# Allegro board RUBUS_20173009.brd (continued)
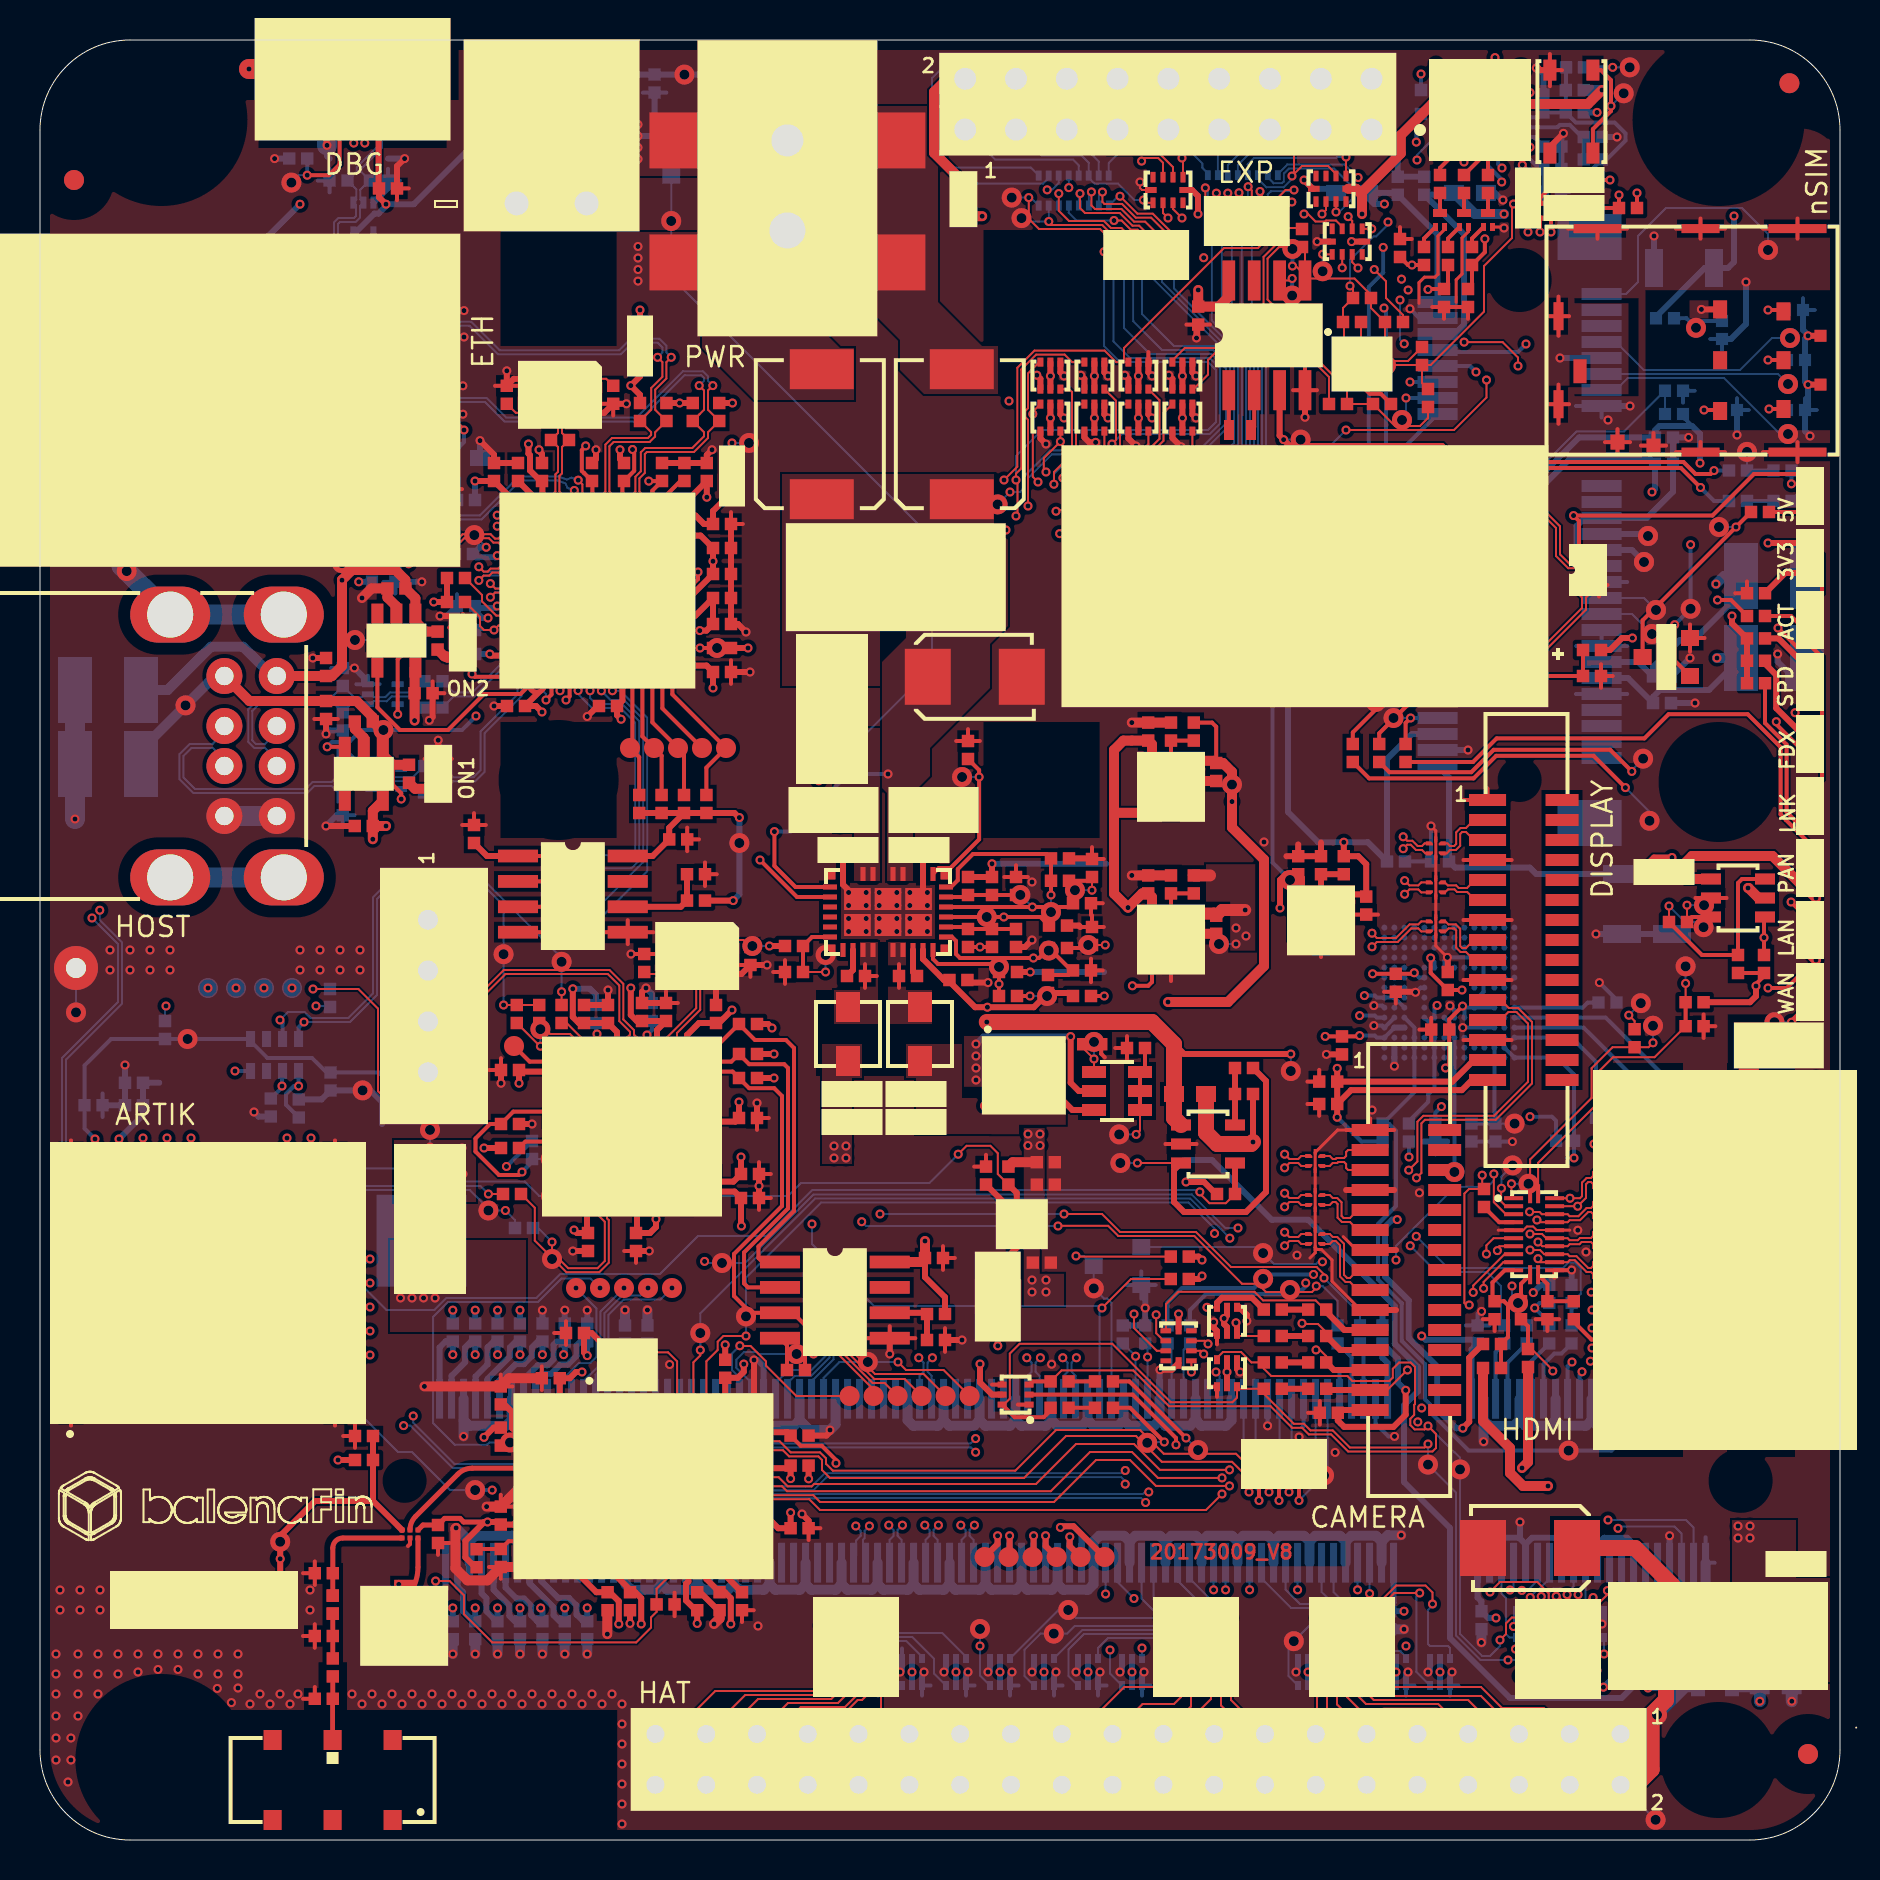
[diagram p0: board, top side]
## Placement (name value [footprint] x y rotation side) (continued)
NOREF#111  -  []  15.74 50.7 0 top
NOREF#112  -  []  79.07 61.12 90 top
NOREF#113  -  []  61.74 82.99 90 top
NOREF#114  -  []  77.12 88.17 0 top
NOREF#115  -  []  28.07 12.7 0 top
NOREF#116  -  []  29.96 51.35 90 top
NOREF#117  -  []  10.93 82.5 90 top
NOREF#118  -  []  69.72 48.18 0 top
NOREF#119  -  []  17.26 11.56 0 top
NOREF#120  -  []  53.34 21.92 0 top
NOREF#121  -  []  33.37 17.89 90 top
NOREF#122  -  []  70 82.35 90 top
NOREF#123  -  []  23.2 39.7 0 top
NOREF#124  -  []  85.35 62.34 0 top
NOREF#125  -  []  16.57 52.55 90 top
NOREF#126  -  []  70.24 45.53 90 top
NOREF#127  -  []  84.45 66.95 0 top
NOREF#128  -  []  30.11 29.14 90 top
NOREF#129  -  []  20.75 64.3 0 top
NOREF#130  -  []  64.14 78.94 90 top
NOREF#131  -  []  84.2 60.75 0 top
NOREF#132  -  []  18.36 52.4 90 top
NOREF#133  -  []  14.48 82.97 0 top
NOREF#134  -  []  44.1 36.9 90 top
NOREF#135  -  []  75.99 88.94 0 top
NOREF#136  -  []  6.51 48.13 90 top
NOREF#137  -  []  15.38 82.5 0 top
NOREF#138  -  []  82.87 24.83 90 top
NOREF#139  -  []  76.49 5.3 0 top
NOREF#140  -  []  23.69 11.25 0 top
NOREF#141  -  []  63.69 33.4 90 top
NOREF#142  -  []  64.88 60.2 0 top
NOREF#143  -  []  64.21 79.77 0 top
NOREF#144  -  []  77.5 9.8 90 top
NOREF#145  -  []  48.09 61.23 90 top
NOREF#146  -  []  10.75 38.85 90 top
NOREF#147  -  []  27.49 42.06 0 top
NOREF#148  -  []  81.45 45.9 0 top
NOREF#149  -  []  89.65 60.6 90 top
NOREF#150  -  []  19.59 16.06 0 top
NOREF#151  -  []  72.73 66.47 90 top
NOREF#152  -  []  20.66 62.79 90 top
NOREF#153  -  []  35.1 11.49 90 top
NOREF#154  -  []  22.74 38.81 0 top
NOREF#155  -  []  80.8 76.09 0 top
NOREF#156  -  []  24.06 30.29 90 top
NOREF#157  -  []  25.27 40.54 90 top
NOREF#158  -  []  12.13 38.45 0 top
NOREF#159  -  []  47.6 44.65 90 top
NOREF#160  -  []  61.5 24.89 90 top
NOREF#161  -  []  24.81 26.14 0 top
NOREF#162  -  []  23.98 58.51 90 top
NOREF#163  -  []  80.58 52.3 90 top
NOREF#164  -  []  64 9.9 90 top
NOREF#165  -  []  42.4 46.4 0 top
NOREF#166  -  []  67.97 54.21 0 top
NOREF#167  -  []  26.3 22.78 90 top
NOREF#168  -  []  23.56 62.22 90 top
NOREF#169  -  []  15.8 10.55 90 top
NOREF#170  -  []  33 32.07 90 top
NOREF#171  -  []  16.57 60.82 0 top
NOREF#172  -  []  85.21 43.04 90 top
NOREF#173  -  []  34.86 59.29 90 top
NOREF#174  -  []  13.93 79.52 0 top
NOREF#175  -  []  79.54 81.91 0 top
NOREF#176  -  []  75.66 27.45 90 top
NOREF#177  -  []  42.3 44.38 0 top
NOREF#178  -  []  33.67 12.7 0 top
NOREF#179  -  []  81.84 71.61 0 top
NOREF#180  -  []  74.97 84.02 90 top
NOREF#181  -  []  7.7 15.18 90 top
NOREF#182  -  []  76.58 24.83 90 top
NOREF#183  -  []  40.4 38.95 90 top
NOREF#184  -  []  22.06 61.39 90 top
NOREF#185  -  []  69.79 49.27 90 top
NOREF#186  -  []  74.3 9.8 90 top
NOREF#187  -  []  32.51 51.04 90 top
NOREF#188  -  []  75.15 27.16 0 top
NOREF#189  -  []  61.19 22.56 0 top
NOREF#190  -  []  48.54 43.71 0 top
NOREF#191  -  []  56.91 78.25 0 top
NOREF#192  -  []  23.05 34.6 0 top
NOREF#193  -  []  19.83 73.02 0 top
NOREF#194  -  []  75.17 83.55 0 top
NOREF#195  -  []  34.24 64.91 0 top
NOREF#196  -  []  19.5 28.8 90 top
NOREF#197  -  []  70.26 87.19 90 top
NOREF#198  -  []  20.4 69.1 0 top
NOREF#199  -  []  46.73 14.15 0 top
NOREF#200  -  []  63.1 44.68 0 top
NOREF#201  -  []  14.53 37.48 90 top
NOREF#202  -  []  69.72 47.08 90 top
NOREF#203  -  []  44.25 49.9 0 top
NOREF#204  -  []  72.73 61.12 90 top
NOREF#205  -  []  52.72 73.89 0 top
NOREF#206  -  []  52.22 70.44 0 top
NOREF#207  -  []  71.26 36.13 0 top
NOREF#208  -  []  69.46 36.13 0 top
NOREF#209  -  []  82.55 7.19 0 top
NOREF#210  -  []  11.23 36.48 0 top
NOREF#211  -  []  70.39 42.5 90 top
NOREF#212  -  []  14.33 11.63 0 top
NOREF#213  -  []  66.1 7.72 90 top
NOREF#214  -  []  68.14 35.23 0 top
NOREF#215  -  []  49.16 43.09 90 top
NOREF#216  -  []  86.9 70.3 0 top
NOREF#217  -  []  38.7 42 90 top
NOREF#218  -  []  57.91 23.48 0 top
NOREF#219  -  []  69.1 73.75 90 top
NOREF#220  -  []  36.16 40.49 90 top
NOREF#221  -  []  73.56 86.99 90 top
NOREF#222  -  []  57.46 78 90 top
NOREF#223  -  []  25.93 26.14 0 top
NOREF#224  -  []  87.35 66.8 0 top
NOREF#225  -  []  65.96 76.79 90 top
NOREF#226  -  []  57.2 36.9 90 top
NOREF#227  -  []  44 38.95 90 top
NOREF#228  -  []  80.19 10.85 0 top
NOREF#229  -  []  32.67 49.72 90 top
NOREF#230  -  []  72.73 61.12 90 top
NOREF#231  -  []  70.08 35.51 90 top
NOREF#232  -  []  32.94 47.28 0 top
NOREF#233  -  []  4.2 52.15 90 top
NOREF#234  -  []  39.8 37.3 0 top
NOREF#235  -  []  77.15 58.2 0 top
NOREF#236  -  []  72.05 9.65 90 top
NOREF#237  -  []  73.94 84.62 0 top
NOREF#238  -  []  27.35 39.62 0 top
NOREF#239  -  []  70.71 79.34 90 top
NOREF#240  -  []  78.36 57.89 90 top
NOREF#241  -  []  23.19 25.52 90 top
NOREF#242  -  []  72.73 61.12 90 top
NOREF#243  -  []  21.45 11.25 0 top
NOREF#244  -  []  32.33 72.16 0 top
NOREF#245  -  []  1.55 22.2 90 top
NOREF#246  -  []  58.44 81.45 90 top
NOREF#247  -  []  23.03 73.02 0 top
NOREF#248  -  []  20.21 9.36 90 top
NOREF#249  -  []  36.57 84.96 0 top
NOREF#250  -  []  80.1 60.3 0 top
NOREF#251  -  []  15.36 78.31 90 top
NOREF#252  -  []  14.05 6.75 90 top
NOREF#253  -  []  75.7 16 0 top
NOREF#254  -  []  68.59 53.59 90 top
NOREF#255  -  []  34.86 60.49 90 top
NOREF#256  -  []  47.89 25.67 90 top
NOREF#257  -  []  77 25.73 90 top
NOREF#258  -  []  28.33 85.97 90 top
NOREF#259  -  []  77.15 9.05 0 top
NOREF#260  -  []  34.24 66.11 0 top
NOREF#261  -  []  89.2 8.29 90 top
NOREF#262  -  []  86.67 66.95 0 top
NOREF#263  -  []  37.25 44.7 0 top
NOREF#264  -  []  75.46 26.85 90 top
NOREF#265  -  []  76.85 11.25 90 top
NOREF#266  -  []  39.09 67.04 90 top
NOREF#267  -  []  29.5 75.1 0 top
NOREF#268  -  []  63.31 31.65 0 top
NOREF#269  -  []  20.18 42.22 0 top
NOREF#270  -  []  36.67 22.34 0 top
NOREF#271  -  []  14.24 78.31 90 top
NOREF#272  -  []  51.12 21.92 0 top
NOREF#273  -  []  77.12 83.89 90 top
NOREF#274  -  []  85.04 67.26 0 top
NOREF#275  -  []  12.08 0.5 0 top
NOREF#276  -  []  13.57 60.82 0 top
NOREF#277  -  []  25.09 23.09 0 top
NOREF#278  -  []  70.65 80.65 0 top
NOREF#279  -  []  63.68 21.67 0 top
NOREF#280  -  []  70.31 82.94 90 top
NOREF#281  -  []  76.29 87.5 0 top
NOREF#282  -  []  46.71 46.94 90 top
NOREF#283  -  []  1.55 22.2 90 top
NOREF#284  -  []  87.26 68.78 0 top
NOREF#285  -  []  33.2 32.27 0 top
NOREF#286  -  []  81.93 9.11 90 top
NOREF#287  -  []  44.1 35.5 90 top
NOREF#288  -  []  52.75 21.61 0 top
NOREF#289  -  []  86.56 9.97 90 top
NOREF#290  -  []  77 83.4 0 top
NOREF#291  -  []  47.91 44.34 90 top
NOREF#292  -  []  16.96 19.89 90 top
NOREF#293  -  []  62.79 79.96 0 top
NOREF#294  -  []  48.42 32.77 90 top
NOREF#295  -  []  35.1 67 90 top
NOREF#296  -  []  30.79 68.26 0 top
NOREF#297  -  []  74.4 81.3 90 top
NOREF#298  -  []  82.35 9.55 90 top
NOREF#299  -  []  33.8 40.85 90 top
NOREF#300  -  []  41.75 7.95 0 top
NOREF#301  -  []  24 10.04 90 top
NOREF#302  -  []  38.65 12.15 0 top
NOREF#303  -  []  69.05 87.5 0 top
NOREF#304  -  []  64.21 31.65 90 top
NOREF#305  -  []  76.89 26.54 90 top
NOREF#306  -  []  34.86 64.29 90 top
NOREF#307  -  []  63.7 11.4 0 top
NOREF#308  -  []  28.7 27.6 0 top
NOREF#309  -  []  63.25 72.49 90 top
NOREF#310  -  []  25.93 11.25 0 top
NOREF#311  -  []  64.05 48.29 90 top
NOREF#312  -  []  28.02 86.28 0 top
NOREF#313  -  []  84.36 61.12 90 top
NOREF#314  -  []  33.65 59.6 0 top
NOREF#315  -  []  64.36 47.98 90 top
NOREF#316  -  []  63.99 21.36 0 top
NOREF#317  -  []  40.94 43.51 0 top
NOREF#318  -  []  64.27 36.49 90 top
NOREF#319  -  []  47.91 47.84 90 top
NOREF#320  -  []  29.98 80.43 0 top
NOREF#321  -  []  76.1 46 90 top
NOREF#322  -  []  50.09 81.97 90 top
NOREF#323  -  []  11.84 53.7 90 top
NOREF#324  -  []  68.3 7.72 90 top
NOREF#325  -  []  39.05 10.15 0 top
NOREF#326  -  []  28.55 23.14 90 top
NOREF#327  -  []  79.55 44.35 90 top
NOREF#328  -  []  34.95 40.8 0 top
NOREF#329  -  []  67.2 9.9 90 top
NOREF#330  -  []  82.05 60.5 0 top
NOREF#331  -  []  10.9 86.92 0 top
NOREF#332  -  []  74.86 83.86 0 top
NOREF#333  -  []  63.72 22.25 90 top
NOREF#334  -  []  18.15 65.3 90 top
NOREF#335  -  []  15.05 79.52 0 top
NOREF#336  -  []  72.05 9.65 90 top
NOREF#337  -  []  12.94 36.13 90 top
NOREF#338  -  []  53.44 81.72 90 top
NOREF#339  -  []  16.05 50.39 90 top
NOREF#340  -  []  69.2 78.75 90 top
NOREF#341  -  []  81.11 75.78 90 top
NOREF#342  -  []  59.95 9.65 90 top
NOREF#343  -  []  67.82 84.22 90 top
NOREF#344  -  []  58.14 81.22 90 top
NOREF#345  -  []  15.74 55.92 0 top
NOREF#346  -  []  33.17 11.18 90 top
NOREF#347  -  []  89.65 48.2 90 top
NOREF#348  -  []  63.96 36.8 0 top
NOREF#349  -  []  72.51 31.34 90 top
NOREF#350  -  []  29.79 41.26 0 top
NOREF#351  -  []  24.79 68.26 0 top
NOREF#352  -  []  78.2 11.47 0 top
NOREF#353  -  []  65.19 48.29 90 top
NOREF#354  -  []  82.74 10.54 90 top
NOREF#355  -  []  30 73.9 90 top
NOREF#356  -  []  23.04 19.72 90 top
NOREF#357  -  []  73.65 11.7 0 top
NOREF#358  -  []  71.85 80.65 0 top
NOREF#359  -  []  87.26 67.26 0 top
NOREF#360  -  []  50.53 21.61 0 top
NOREF#361  -  []  33.01 51.66 0 top
NOREF#362  -  []  14.4 19.75 90 top
NOREF#363  -  []  63.69 29.5 90 top
NOREF#364  -  []  50.55 49.08 0 top
NOREF#365  -  []  72.05 12.15 90 top
NOREF#366  -  []  16.06 18.69 90 top
NOREF#367  -  []  59.35 26.64 0 top
NOREF#368  -  []  50.39 34.54 0 top
NOREF#369  -  []  53.96 22.62 90 top
NOREF#370  -  []  63.65 38.23 0 top
NOREF#371  -  []  46.09 47.56 0 top
NOREF#372  -  []  80.96 56.54 90 top
NOREF#373  -  []  66.23 79.02 90 top
NOREF#374  -  []  81.34 69.12 0 top
NOREF#375  -  []  77.74 58.51 0 top
NOREF#376  -  []  85.16 71.19 90 top
NOREF#377  -  []  23.35 56.7 0 top
NOREF#378  -  []  30.1 40.95 90 top
NOREF#379  -  []  71.71 77.24 90 top
NOREF#380  -  []  42.95 7.15 90 top
NOREF#381  -  []  58.75 76.83 0 top
NOREF#382  -  []  16.57 53.55 0 top
NOREF#383  -  []  69.72 45.13 90 top
NOREF#384  -  []  30.77 2.76 90 top
NOREF#385  -  []  77.19 85.15 0 top
NOREF#386  -  []  77.15 59.5 0 top
NOREF#387  -  []  41.2 44.8 0 top
NOREF#388  -  []  17.37 62.58 0 top
NOREF#389  -  []  83.49 40.38 90 top
NOREF#390  -  []  73.98 78 0 top
NOREF#391  -  []  69.34 49.23 0 top
NOREF#392  -  []  38.14 32.8 0 top
NOREF#393  -  []  64.79 40.49 0 top
NOREF#394  -  []  70.23 21.5 0 top
NOREF#395  -  []  68.2 82.86 90 top
NOREF#396  -  []  23.66 56.39 90 top
NOREF#397  -  []  84.59 43.66 0 top
NOREF#398  -  []  25.41 67.64 90 top
NOREF#399  -  []  76.5 10.12 0 top
NOREF#400  -  []  61.5 26.21 90 top
NOREF#401  -  []  51.53 14.15 0 top
NOREF#402  -  []  38.09 68.64 0 top
NOREF#403  -  []  70.97 80.65 0 top
NOREF#404  -  []  56.47 71.57 90 top
NOREF#405  -  []  22.7 67.95 90 top
NOREF#406  -  []  68.79 74.06 0 top
NOREF#407  -  []  50.71 42.04 90 top
NOREF#408  -  []  58 55.56 90 top
NOREF#409  -  []  81.75 24.83 90 top
NOREF#410  -  []  54.94 39.91 0 top
NOREF#411  -  []  71.85 81.1 90 top
NOREF#412  -  []  30.5 73.5 90 top
NOREF#413  -  []  19.83 76.78 0 top
NOREF#414  -  []  47.95 43.4 0 top
NOREF#415  -  []  20.85 60.5 0 top
NOREF#416  -  []  17.82 61.32 0 top
NOREF#417  -  []  75 33.39 0 top
NOREF#418  -  []  16.34 20.51 0 top
NOREF#419  -  []  22.06 58.99 90 top
NOREF#420  -  []  59.7 71 0 top
NOREF#421  -  []  34.64 38.41 0 top
NOREF#422  -  []  21.83 13.64 90 top
NOREF#423  -  []  55.72 55.56 90 top
NOREF#424  -  []  55.65 9.65 0 top
NOREF#425  -  []  40.75 7.5 90 top
NOREF#426  -  []  12.7 39.65 90 top
NOREF#427  -  []  17.26 60.03 0 top
NOREF#428  -  []  33.98 11.49 90 top
NOREF#429  -  []  72.07 10.54 90 top
NOREF#430  -  []  51.37 64.94 0 top
NOREF#431  -  []  86.2 43.35 90 top
NOREF#432  -  []  83.62 83.8 90 top
NOREF#433  -  []  82.28 41.89 0 top
NOREF#434  -  []  26.3 25.35 0 top
NOREF#435  -  []  42.5 39.7 90 top
NOREF#436  -  []  14.83 58.91 0 top
NOREF#437  -  []  61.89 81.74 90 top
NOREF#438  -  []  52.29 48.46 0 top
NOREF#439  -  []  55.56 39.29 90 top
NOREF#440  -  []  60.05 20.05 0 top
NOREF#441  -  []  23.35 14.24 90 top
NOREF#442  -  []  74.3 7.3 90 top
NOREF#443  -  []  85.04 58.15 0 top
NOREF#444  -  []  49.84 33.89 0 top
NOREF#445  -  []  76.29 86.38 0 top
NOREF#446  -  [unnamed#3]  83.93 52.9 0 top
NOREF#447  -  []  109.85 19.5 90 top
NOREF#448  -  []  84 76.53 0 top
NOREF#449  -  []  65.41 39.87 90 top
NOREF#450  -  []  45.02 44.77 0 top
NOREF#451  -  []  63.31 29.7 0 top
NOREF#452  -  []  68.76 34.61 90 top
NOREF#453  -  []  78.4 83.72 90 top
NOREF#454  -  []  17.46 63.22 0 top
NOREF#455  -  []  12.66 80.32 90 top
NOREF#456  -  []  62.49 79.7 90 top
NOREF#457  -  []  79.42 39.95 0 top
NOREF#458  -  []  18.5 30.1 0 top
NOREF#459  -  []  78.05 12.05 0 top
NOREF#460  -  []  31.1 67.95 90 top
NOREF#461  -  []  33.65 67.64 90 top
NOREF#462  -  []  83.25 8.19 0 top
NOREF#463  -  []  76.88 87.81 0 top
NOREF#464  -  []  71.51 82.94 90 top
NOREF#465  -  []  18.91 56.93 0 top
NOREF#466  -  []  31.41 67.64 90 top
NOREF#467  -  []  44.97 81.54 0 top
NOREF#468  -  []  67 73.05 90 top
NOREF#469  -  []  34.86 62.99 90 top
NOREF#470  -  []  19.4 38.39 90 top
NOREF#471  -  []  77 73.44 0 top
NOREF#472  -  []  87.88 66.64 90 top
NOREF#473  -  []  17.71 8.41 0 top
NOREF#474  -  []  29.65 51.66 0 top
NOREF#475  -  []  24.9 73.06 0 top
NOREF#476  -  []  58.59 80.2 0 top
NOREF#477  -  []  24.31 10.63 90 top
NOREF#478  -  []  72.42 26.35 0 top
NOREF#479  -  []  79.28 138 0 top
NOREF#480  -  []  6.51 61.27 0 top
NOREF#481  -  []  55.65 12.15 0 top
NOREF#482  -  []  23.83 81.83 0 top
NOREF#483  -  []  76 10.12 90 top
NOREF#484  -  []  64.76 71.49 90 top
NOREF#485  -  []  74.3 9.8 90 top
NOREF#486  -  []  64.88 49.5 0 top
NOREF#487  -  []  34.24 63.61 0 top
NOREF#488  -  []  42.65 49.1 90 top
NOREF#489  -  []  34.24 62.41 0 top
NOREF#490  -  []  65.33 54.21 0 top
NOREF#491  -  []  44.39 58.16 0 top
NOREF#492  -  []  67.75 14.65 0 top
NOREF#493  -  []  85.04 60.39 0 top
NOREF#494  -  []  83.18 25.42 90 top
NOREF#495  -  []  65.95 53.59 90 top
NOREF#496  -  []  29.69 72.16 0 top
NOREF#497  -  []  60.45 18.05 0 top
NOREF#498  -  []  71.29 79.96 0 top
NOREF#499  -  []  74.05 26.04 90 top
NOREF#500  -  []  34.1 68.6 0 top
NOREF#501  -  []  85.89 43.66 0 top
NOREF#502  -  []  52.24 28.3 90 top
NOREF#503  -  []  69.34 47.28 0 top
NOREF#504  -  []  47.5 7.72 90 top
NOREF#505  -  []  70.2 76.65 90 top
NOREF#506  -  []  7.12 77.7 90 top
NOREF#507  -  []  69.45 80.65 0 top
NOREF#508  -  []  24.81 11.25 0 top
NOREF#509  -  []  73.83 71.92 0 top
NOREF#510  -  []  37.56 44.39 90 top
NOREF#511  -  []  74.71 35.8 90 top
NOREF#512  -  []  27.29 68.26 0 top
NOREF#513  -  []  19.32 57.65 0 top
NOREF#514  -  []  77.5 84.84 90 top
NOREF#515  -  []  35.47 14.09 90 top
NOREF#516  -  []  67 73.8 90 top
NOREF#517  -  []  67.35 10.15 90 top
NOREF#518  -  []  75.68 25.73 90 top
NOREF#519  -  []  57.73 43.47 90 top
NOREF#520  -  []  27.51 40.54 90 top
NOREF#521  -  []  33.96 70.95 90 top
NOREF#522  -  []  13.48 82.5 0 top
NOREF#523  -  []  23.46 31.99 90 top
NOREF#524  -  []  19.24 75.15 0 top
NOREF#525  -  []  28.66 71.81 90 top
NOREF#526  -  []  17.77 62.91 90 top
NOREF#527  -  []  39.6 49.5 0 top
NOREF#528  -  []  24.6 34.05 90 top
NOREF#529  -  []  35.05 33.3 0 top
NOREF#530  -  []  72.55 80.65 0 top
NOREF#531  -  []  64.57 26.04 0 top
NOREF#532  -  []  18.23 17.96 90 top
NOREF#533  -  []  45.4 44.4 90 top
NOREF#534  -  []  73.22 24.83 90 top
NOREF#535  -  []  46.68 42.69 90 top
NOREF#536  -  []  70.24 47.28 90 top
NOREF#537  -  []  42.5 37.7 0 top
NOREF#538  -  []  67.51 10.54 90 top
NOREF#539  -  []  11.33 65.41 0 top
NOREF#540  -  []  84.36 71.36 90 top
NOREF#541  -  []  76.88 86.69 0 top
NOREF#542  -  []  69.52 82.86 90 top
NOREF#543  -  []  88.15 42.8 0 top
NOREF#544  -  []  14.55 78.9 90 top
NOREF#545  -  []  60.3 19.3 90 top
NOREF#546  -  []  31.11 85.51 0 top
NOREF#547  -  []  87.35 57.5 0 top
NOREF#548  -  []  32.66 47.98 90 top
NOREF#549  -  []  85.66 66.64 90 top
NOREF#550  -  []  45.98 22.2 0 top
NOREF#551  -  []  69.64 86.61 0 top
NOREF#552  -  []  19.24 71.29 0 top
NOREF#553  -  []  60.45 18.05 0 top
NOREF#554  -  []  46.06 43.31 0 top
NOREF#555  -  []  43.17 51.5 0 top
NOREF#556  -  []  14.05 9.89 90 top
NOREF#557  -  []  74.16 85.64 90 top
NOREF#558  -  []  54.95 25.14 0 top
NOREF#559  -  []  39.05 7.65 0 top
NOREF#560  -  []  57.73 51.11 90 top
NOREF#561  -  []  67.13 34.92 90 top
NOREF#562  -  []  28.89 68.26 0 top
NOREF#563  -  []  88.15 52.1 0 top
NOREF#564  -  []  73.36 24.49 90 top
NOREF#565  -  []  24.26 35.49 90 top
NOREF#566  -  []  73.56 83.99 90 top
NOREF#567  -  []  28.38 11.49 90 top
NOREF#568  -  []  19.4 43.47 90 top
NOREF#569  -  []  31.89 51.66 0 top
NOREF#570  -  []  73.74 27.25 0 top
NOREF#571  -  []  69.35 9.3 0 top
NOREF#572  -  []  39.05 7.65 90 top
NOREF#573  -  []  34.86 65.49 90 top
NOREF#574  -  []  56.77 35.3 0 top
NOREF#575  -  []  44.84 29.41 0 top
NOREF#576  -  []  49.97 30.57 90 top
NOREF#577  -  []  31.56 83.21 90 top
NOREF#578  -  []  51.74 22.62 90 top
NOREF#579  -  []  14.81 41.34 90 top
NOREF#580  -  []  18.89 54.01 0 top
NOREF#581  -  []  80.48 35.36 90 top
NOREF#582  -  []  80.33 6.6 0 top
NOREF#583  -  []  12.38 57.32 0 top
NOREF#584  -  []  70.24 49.43 90 top
NOREF#585  -  []  88.46 76.19 90 top
NOREF#586  -  []  85.66 59.77 90 top
NOREF#587  -  []  82.04 46.21 0 top
NOREF#588  -  []  42.95 7.15 90 top
NOREF#589  -  []  47.47 38.83 0 top
NOREF#590  -  []  32.05 50.34 0 top
NOREF#591  -  []  70.65 81.1 90 top
NOREF#592  -  []  6.07 86 0 top
NOREF#593  -  []  56.55 54.97 90 top
NOREF#594  -  []  70.15 80.65 0 top
NOREF#595  -  []  18.15 64.74 90 top
NOREF#596  -  []  55.3 53.53 0 top
NOREF#597  -  []  79.73 39.64 90 top
NOREF#598  -  []  20.79 60.27 0 top
NOREF#599  -  []  23.75 30.6 0 top
NOREF#600  -  []  87.28 60.2 0 top
NOREF#601  -  []  52.7 36.5 0 top
NOREF#602  -  []  33.65 72.16 0 top
NOREF#603  -  []  56.29 23.96 90 top
NOREF#604  -  []  21.34 64.61 0 top
NOREF#605  -  []  25.99 25.66 0 top
NOREF#606  -  []  82.05 44.35 90 top
NOREF#607  -  []  67.56 75.59 90 top
NOREF#608  -  []  64.88 24.83 90 top
NOREF#609  -  []  70.09 79.96 0 top
NOREF#610  -  []  12.63 37.34 0 top
NOREF#611  -  []  74.55 83.95 90 top
NOREF#612  -  []  80.65 56.85 0 top
NOREF#613  -  []  77.15 11.55 0 top
NOREF#614  -  []  50.55 47.96 0 top
NOREF#615  -  []  17.07 65.59 90 top
NOREF#616  -  []  16.87 58.62 90 top
NOREF#617  -  []  49.99 29.77 90 top
NOREF#618  -  []  90.72 34.3 90 top
NOREF#619  -  []  52.75 7.95 0 top
NOREF#620  -  []  75.46 24.83 90 top
NOREF#621  -  []  56.05 10.15 0 top
NOREF#622  -  []  30.73 87.37 90 top
NOREF#623  -  []  39.58 80.43 90 top
NOREF#624  -  []  65.5 48.88 90 top
NOREF#625  -  []  75.77 25.42 90 top
NOREF#626  -  []  46.3 7.72 90 top
NOREF#627  -  []  64.14 72.11 0 top
NOREF#628  -  []  62.35 44.23 90 top
NOREF#629  -  []  63.41 79.34 90 top
NOREF#630  -  []  12.83 5.2 90 top
NOREF#631  -  []  65.15 75.9 0 top
NOREF#632  -  []  56.07 26.04 0 top
NOREF#633  -  []  17.09 83.28 0 top
NOREF#634  -  []  15.43 51.01 0 top
NOREF#635  -  []  10.31 38.05 0 top
NOREF#636  -  []  92.55 36.5 0 top
NOREF#637  -  []  21.52 14.85 0 top
NOREF#638  -  []  30.6 40.95 90 top
NOREF#639  -  []  64.35 17.55 90 top
NOREF#640  -  []  29.81 12.08 90 top
NOREF#641  -  []  51.05 32.46 90 top
NOREF#642  -  []  21.33 27.66 0 top
NOREF#643  -  []  44.1 7.72 90 top
NOREF#644  -  []  55.65 12.15 0 top
NOREF#645  -  []  62.6 49.5 0 top
NOREF#646  -  []  54.42 70.44 0 top
NOREF#647  -  []  47.95 21.55 90 top
NOREF#648  -  []  49.87 72.77 0 top
NOREF#649  -  []  50.45 45.72 0 top
NOREF#650  -  []  29.98 80.43 90 top
NOREF#651  -  []  55.57 24.52 90 top
NOREF#652  -  []  67.94 49.24 0 top
NOREF#653  -  []  71.6 78.75 90 top
NOREF#654  -  []  23.36 38.19 90 top
NOREF#655  -  []  62.88 13.86 0 top
NOREF#656  -  []  58.81 52.95 90 top
NOREF#657  -  []  27.95 56.7 0 top
NOREF#658  -  []  71.88 24.83 90 top
NOREF#659  -  []  89.65 57.5 90 top
NOREF#660  -  []  84.36 61.12 90 top
NOREF#661  -  []  49.11 45.24 90 top
NOREF#662  -  []  15.45 58.29 90 top
NOREF#663  -  []  33.48 83.76 90 top
NOREF#664  -  []  44.66 24.69 90 top
NOREF#665  -  []  22.73 14.86 0 top
NOREF#666  -  []  18.76 52.91 0 top
NOREF#667  -  []  52.67 63.19 0 top
NOREF#668  -  []  63.4 82.41 0 top
NOREF#669  -  []  86.05 21.12 90 top
NOREF#670  -  []  23.9 45.39 0 top
NOREF#671  -  []  81.25 71.3 0 top
NOREF#672  -  []  38.65 9.65 0 top
NOREF#673  -  []  31.04 87.96 90 top
NOREF#674  -  []  43.85 65.05 0 top
NOREF#675  -  []  30 70.95 90 top
NOREF#676  -  []  63.1 26.83 0 top
NOREF#677  -  []  53.34 23.24 0 top
NOREF#678  -  []  25.86 69.69 90 top
NOREF#679  -  []  67.35 7.65 90 top
NOREF#680  -  []  68.1 43 90 top
NOREF#681  -  []  73.04 25.73 90 top
NOREF#682  -  []  50.53 22.93 0 top
NOREF#683  -  []  33.34 67.95 90 top
NOREF#684  -  []  75.77 26.54 90 top
NOREF#685  -  []  77.5 87.19 90 top
NOREF#686  -  []  56.7 37.3 0 top
NOREF#687  -  []  27.71 29.14 90 top
NOREF#688  -  []  56.54 29.17 0 top
NOREF#689  -  []  84 71.45 0 top
NOREF#690  -  []  75.92 71.79 0 top
NOREF#691  -  []  59.95 7.15 90 top
NOREF#692  -  []  67.58 83.47 0 top
NOREF#693  -  []  65.42 81.66 90 top
NOREF#694  -  []  35.52 43.75 90 top
NOREF#695  -  []  25.22 19.49 0 top
NOREF#696  -  []  75.15 26.04 0 top
NOREF#697  -  []  66.59 81.24 90 top
NOREF#698  -  []  87.35 60.6 0 top
NOREF#699  -  []  48.11 33.98 0 top
NOREF#700  -  []  80.19 9.73 0 top
NOREF#701  -  []  29.49 29.76 0 top
NOREF#702  -  []  75.17 84.67 0 top
NOREF#703  -  []  50.7 7.72 90 top
NOREF#704  -  []  37.22 15.9 0 top
NOREF#705  -  []  50.43 33.08 0 top
NOREF#706  -  []  17.68 62.27 90 top
NOREF#707  -  []  19.99 59.47 0 top
NOREF#708  -  []  80.05 21.12 90 top
NOREF#709  -  []  25.24 70.31 0 top
NOREF#710  -  []  27.1 71.36 90 top
NOREF#711  -  []  50.85 28.56 90 top
NOREF#712  -  []  23.64 36.11 0 top
NOREF#713  -  []  86.67 68.47 0 top
NOREF#714  -  []  63.33 81.58 90 top
NOREF#715  -  []  19.53 56.31 90 top
NOREF#716  -  []  57.38 48.54 0 top
NOREF#717  -  []  24.53 80.12 0 top
NOREF#718  -  []  55.9 8.9 90 top
NOREF#719  -  []  19.9 68.7 90 top
NOREF#720  -  []  71.4 76.65 90 top
NOREF#721  -  []  71.35 80.65 0 top
NOREF#722  -  []  84.48 17.97 0 top
NOREF#723  -  []  2.23 36.74 0 top
NOREF#724  -  []  25.1 67.95 90 top
NOREF#725  -  []  13.43 10.51 0 top
NOREF#726  -  []  76.3 88.63 0 top
NOREF#727  -  []  48.35 8.85 90 top
NOREF#728  -  []  72.73 61.12 90 top
NOREF#729  -  []  47.93 14.15 0 top
NOREF#730  -  []  18.76 53.45 90 top
NOREF#731  -  []  57.13 28.36 0 top
NOREF#732  -  []  42.5 36.3 0 top
NOREF#733  -  []  11.53 85.2 90 top
NOREF#734  -  []  43.24 56.76 90 top
NOREF#735  -  []  79.68 58.75 90 top
NOREF#736  -  []  3.1 70.3 90 top
NOREF#737  -  []  85.99 7.69 0 top
NOREF#738  -  []  21.06 52.91 90 top
NOREF#739  -  []  13.43 7.37 0 top
NOREF#740  -  []  41.86 84.08 90 top
NOREF#741  -  []  32.22 67.95 90 top
NOREF#742  -  []  78.47 61.12 0 top
NOREF#743  -  []  75.9 81.6 0 top
NOREF#744  -  []  66.94 76.21 0 top
NOREF#745  -  []  52.75 22.93 0 top
NOREF#746  -  []  69.55 48.93 0 top
NOREF#747  -  []  27.5 27.6 0 top
NOREF#748  -  []  69.72 49.03 90 top
NOREF#749  -  []  18.23 17.16 90 top
NOREF#750  -  []  73.36 23.29 90 top
NOREF#751  -  []  20.45 76.16 90 top
NOREF#752  -  []  58.85 25.29 90 top
NOREF#753  -  []  15.45 54.05 90 top
NOREF#754  -  []  28.35 72.12 0 top
NOREF#755  -  []  75.85 11.7 0 top
NOREF#756  -  []  80.17 35.67 0 top
NOREF#757  -  [unnamed#2]  83.93 4 0 top
NOREF#758  -  []  33.65 60.8 0 top
NOREF#759  -  []  56.97 82.65 0 top
NOREF#760  -  []  2.82 37.05 0 top
NOREF#761  -  []  32.04 48.6 0 top
NOREF#762  -  []  74.65 74.77 0 top
NOREF#763  -  []  66.85 11.65 0 top
NOREF#764  -  []  44.96 84.22 0 top
NOREF#765  -  []  67.86 71.49 90 top
NOREF#766  -  []  70.4 78.75 90 top
NOREF#767  -  []  54.95 8.85 90 top
NOREF#768  -  []  79.05 74.77 0 top
NOREF#769  -  []  61.94 79.95 0 top
NOREF#770  -  []  58.5 45.62 0 top
NOREF#771  -  []  22.74 34.91 0 top
NOREF#772  -  []  64.9 73.6 90 top
NOREF#773  -  []  64.78 44.43 0 top
NOREF#774  -  []  83.05 10.23 90 top
NOREF#775  -  []  14.95 11.01 90 top
NOREF#776  -  []  70.24 49.23 90 top
NOREF#777  -  []  69.69 83.56 0 top
NOREF#778  -  []  33.26 44.42 90 top
NOREF#779  -  []  37.53 18.72 0 top
NOREF#780  -  []  88.15 49 0 top
NOREF#781  -  []  53.16 80.5 0 top
NOREF#782  -  []  21.5 69.5 0 top
NOREF#783  -  []  28.55 24.39 0 top
NOREF#784  -  []  45.15 7.5 90 top
NOREF#785  -  []  73.08 71.22 90 top
NOREF#786  -  []  86.76 66.09 90 top
NOREF#787  -  []  75.8 34.96 0 top
NOREF#788  -  []  64.95 7.5 90 top
NOREF#789  -  []  38.7 42 0 top
NOREF#790  -  []  87.88 68.16 90 top
NOREF#791  -  []  37.84 15.28 90 top
NOREF#792  -  []  28.26 56.39 90 top
NOREF#793  -  []  74 11.3 0 top
NOREF#794  -  []  33.92 21.29 0 top
NOREF#795  -  []  81.62 8.52 90 top
NOREF#796  -  []  75.74 82.71 0 top
NOREF#797  -  []  57.05 35.75 0 top
NOREF#798  -  []  59.12 45 90 top
NOREF#799  -  []  80.94 72.77 0 top
NOREF#800  -  []  67.35 48.93 0 top
NOREF#801  -  []  50.02 70.44 0 top
NOREF#802  -  []  14.33 8.49 0 top
NOREF#803  -  []  35.26 35.79 90 top
NOREF#804  -  []  50.52 73.89 0 top
NOREF#805  -  []  11.85 35.86 90 top
NOREF#806  -  []  65.7 82.41 90 top
NOREF#807  -  []  54.85 43.27 90 top
NOREF#808  -  []  0 85.5 0 top
NOREF#809  -  []  77.78 84.34 0 top
NOREF#810  -  []  73.98 78 0 top
NOREF#811  -  []  51.34 42.51 0 top
NOREF#812  -  []  60.34 37.61 0 top
NOREF#813  -  []  88.15 55.2 0 top
NOREF#814  -  []  75.9 83 0 top
NOREF#815  -  []  83.38 86.3 90 top
NOREF#816  -  []  27.6 67.95 90 top
NOREF#817  -  []  65.1 9.07 0 top
NOREF#818  -  []  80.65 58.17 0 top
NOREF#819  -  []  23.84 40.85 90 top
NOREF#820  -  []  15.97 80.23 90 top
NOREF#821  -  []  43.77 43.15 90 top
NOREF#822  -  []  79.4 37.65 0 top
NOREF#823  -  []  85.35 61.2 0 top
NOREF#824  -  []  83.16 12.86 90 top
NOREF#825  -  []  49.16 41.89 90 top
NOREF#826  -  []  66.36 75.59 90 top
NOREF#827  -  []  18.16 82.27 90 top
NOREF#828  -  []  71.91 79.34 90 top
NOREF#829  -  []  53.56 78.5 0 top
NOREF#830  -  []  58.85 32.3 0 top
NOREF#831  -  []  11.8 87.31 90 top
NOREF#832  -  []  65.69 26.04 0 top
NOREF#833  -  []  53.84 83.72 0 top
NOREF#834  -  []  55.9 11.4 90 top
NOREF#835  -  []  15.75 19 0 top
NOREF#836  -  []  79.7 63.9 0 top
NOREF#837  -  []  51.96 46.53 90 top
NOREF#838  -  []  70.85 88.78 0 top
NOREF#839  -  []  58.19 82.2 0 top
NOREF#840  -  []  56.24 55.28 0 top
NOREF#841  -  []  41.18 22.2 0 top
NOREF#842  -  []  70.77 40.21 90 top
NOREF#843  -  []  41.67 80.08 0 top
NOREF#844  -  []  22.14 14.23 90 top
NOREF#845  -  []  24.22 44.39 90 top
NOREF#846  -  []  62.91 48.29 90 top
NOREF#847  -  []  18.23 17.96 0 top
NOREF#848  -  []  88.15 67.6 0 top
NOREF#849  -  []  77.65 7.55 90 top
NOREF#850  -  []  83.95 71.5 0 top
NOREF#851  -  []  80.5 8.52 90 top
NOREF#852  -  []  39.6 63.14 0 top
NOREF#853  -  []  80.5 10.54 90 top
NOREF#854  -  []  26.39 40.54 90 top
NOREF#855  -  []  67.82 11.13 90 top
NOREF#856  -  []  71.8 81.95 90 top
NOREF#857  -  []  16.28 85.88 0 top
NOREF#858  -  []  20.35 61.9 0 top
NOREF#859  -  []  14.79 82.66 90 top
NOREF#860  -  []  64 7.4 90 top
NOREF#861  -  []  37.25 43.4 0 top
NOREF#862  -  []  26 32.27 0 top
NOREF#863  -  []  86.5 13.4 90 top
NOREF#864  -  []  56.47 73.67 90 top
NOREF#865  -  []  24.22 58.82 90 top
NOREF#866  -  []  28.69 12.08 90 top
NOREF#867  -  []  72.15 23.6 0 top
NOREF#868  -  []  75.48 84.36 90 top
NOREF#869  -  []  49.84 32.77 0 top
NOREF#870  -  []  63.56 29.8 0 top
NOREF#871  -  []  55.25 82.35 0 top
NOREF#872  -  []  47.29 44.96 0 top
NOREF#873  -  []  15.14 53.46 90 top
NOREF#874  -  []  46.4 54.05 90 top
NOREF#875  -  []  61.39 81.74 0 top
NOREF#876  -  []  52.94 81.72 0 top
NOREF#877  -  []  80.72 10.2 0 top
NOREF#878  -  []  57.47 72.02 0 top
NOREF#879  -  []  32.55 11.8 0 top
NOREF#880  -  []  63.72 23.57 90 top
NOREF#881  -  []  52.91 44.44 90 top
NOREF#882  -  []  36.68 25.36 0 top
NOREF#883  -  []  43.1 9.07 0 top
NOREF#884  -  []  76.89 25.42 90 top
NOREF#885  -  []  29.05 23.89 90 top
NOREF#886  -  []  19.24 76.47 0 top
NOREF#887  -  []  89.58 60.2 90 top
NOREF#888  -  []  85.88 68.4 90 top
NOREF#889  -  []  67.2 11.75 0 top
NOREF#890  -  []  32.2 51.35 90 top
NOREF#891  -  []  56.05 23.8 0 top
NOREF#892  -  []  87.35 63.7 0 top
NOREF#893  -  []  95.3 27.9 90 top
NOREF#894  -  []  59.7 25.06 90 top
NOREF#895  -  []  47.3 32.77 90 top
NOREF#896  -  []  23.83 81.83 0 top
NOREF#897  -  []  56.54 28.05 0 top
NOREF#898  -  []  84.36 61.12 90 top
NOREF#899  -  []  89.65 54.4 90 top
NOREF#900  -  []  83.86 10.54 90 top
NOREF#901  -  [unnamed#3]  25.93 53 0 top
NOREF#902  -  []  62 48 0 top
NOREF#903  -  []  21.44 67.31 0 top
NOREF#904  -  []  19.83 71.6 0 top
NOREF#905  -  []  49.11 46.94 90 top
NOREF#906  -  []  23.04 21.78 90 top
NOREF#907  -  []  72.81 28.82 0 top
NOREF#908  -  []  14.83 51.55 0 top
NOREF#909  -  []  57.91 23.48 90 top
NOREF#910  -  []  64.1 18.3 90 top
NOREF#911  -  []  72.77 34.92 90 top
NOREF#912  -  []  43.24 59.56 0 top
NOREF#913  -  []  71.76 86.99 0 top
NOREF#914  -  []  23.36 34.29 90 top
NOREF#915  -  []  59.12 52.64 90 top
NOREF#916  -  []  15.45 50.93 90 top
NOREF#917  -  []  72.17 80.65 0 top
NOREF#918  -  []  75.06 26.35 0 top
NOREF#919  -  []  72.74 23.91 0 top
NOREF#920  -  []  28.97 71.5 90 top
NOREF#921  -  []  64.81 82.36 0 top
NOREF#922  -  []  70.69 82.36 0 top
NOREF#923  -  []  75.12 87.52 0 top
NOREF#924  -  []  14.94 54.16 0 top
NOREF#925  -  []  30.27 51.04 90 top
NOREF#926  -  []  51.76 47.65 90 top
NOREF#927  -  []  54.61 28.15 0 top
NOREF#928  -  []  31.67 78.88 90 top
NOREF#929  -  []  84.17 10.23 90 top
NOREF#930  -  []  55.3 51.78 90 top
NOREF#931  -  []  42.73 52.45 0 top
NOREF#932  -  []  14.19 41.96 0 top
NOREF#933  -  []  81.31 9.73 0 top
NOREF#934  -  []  88.15 58.3 0 top
NOREF#935  -  []  23.53 41.16 0 top
NOREF#936  -  []  66.65 71.8 0 top
NOREF#937  -  []  15.44 19.31 0 top
NOREF#938  -  []  54.1 7.72 90 top
NOREF#939  -  []  76.25 29.99 0 top
NOREF#940  -  []  11.18 0.5 0 top
NOREF#941  -  []  24.87 13.49 90 top
NOREF#942  -  [unnamed#2]  6.07 4 0 top
NOREF#943  -  []  70.22 33.4 0 top
NOREF#944  -  []  67.3 9.07 0 top
NOREF#945  -  []  79.1 45.3 90 top
NOREF#946  -  []  76.4 73.77 0 top
NOREF#947  -  []  3.75 17.5 90 top
NOREF#948  -  []  69.79 47.33 90 top
NOREF#949  -  []  6.25 40.05 90 top
NOREF#950  -  []  64.31 81.95 90 top
NOREF#951  -  []  62.9 9.07 0 top
NOREF#952  -  []  24.53 75.94 90 top
NOREF#953  -  []  29.19 12.7 0 top
NOREF#954  -  []  90.85 32.7 0 top
NOREF#955  -  []  5.01 55.95 0 top
NOREF#956  -  []  28.11 41.44 90 top
NOREF#957  -  []  43.58 22.2 0 top
NOREF#958  -  []  16.37 81.72 0 top
NOREF#959  -  []  49.7 9.07 0 top
NOREF#960  -  []  59.7 7.9 90 top
NOREF#961  -  []  55.65 9.65 0 top
NOREF#962  -  []  29.2 67.95 90 top
NOREF#963  -  []  51.34 47.15 0 top
NOREF#964  -  []  66 24.83 90 top
NOREF#965  -  []  33.8 54.6 0 top
NOREF#966  -  []  18.9 15.1 90 top
NOREF#967  -  []  48.13 39.43 0 top
NOREF#968  -  []  80.7 78.6 0 top
NOREF#969  -  []  63.56 33.7 0 top
NOREF#970  -  []  69.34 45.33 0 top
NOREF#971  -  []  20.45 70.98 90 top
NOREF#972  -  []  82.56 26.04 0 top
NOREF#973  -  []  30.91 40.64 90 top
NOREF#974  -  []  77 82 0 top
NOREF#975  -  []  29.97 19.49 0 top
NOREF#976  -  []  69.88 76.9 0 top
NOREF#977  -  []  59.44 72.49 0 top
NOREF#978  -  []  46.09 67.04 90 top
NOREF#979  -  []  19.2 52.38 0 top
NOREF#980  -  []  21.96 63.99 90 top
NOREF#981  -  []  64.9 72.75 90 top
NOREF#982  -  []  50.14 46.03 0 top
NOREF#983  -  []  66.31 25.42 90 top
NOREF#984  -  []  18.78 15.62 0 top
NOREF#985  -  []  0.9 55.45 0 top
NOREF#986  -  []  42.7 10.4 90 top
NOREF#987  -  []  16.39 56.79 90 top
NOREF#988  -  []  76.88 85.46 0 top
NOREF#989  -  []  85.66 68.16 90 top
NOREF#990  -  []  65.34 77.41 0 top
NOREF#991  -  []  46.1 39.7 90 top
NOREF#992  -  []  33.56 46.66 90 top
NOREF#993  -  []  83.55 10.85 0 top
NOREF#994  -  []  28.4 40.85 90 top
NOREF#995  -  []  30.83 11.78 0 top
NOREF#996  -  []  81.53 42.3 90 top
NOREF#997  -  []  14.83 54.67 0 top
NOREF#998  -  []  19.2 53.7 0 top
NOREF#999  -  []  73.98 78 0 top
NOREF#1000  -  []  57.73 51.11 90 top
NOREF#1001  -  []  22.06 60.19 90 top
